# Altium PCB ZhuKong.PcbDoc (part 3 of 6)
Units mm, origin at the board's own origin, x right, y up, seen from the top; angles counter-clockwise.
Board outline 178.45 x 113.25 mm, 2 copper layers (Top Layer, Bottom Layer); 395 components, 351 nets, 1367 pads, 848 vias.
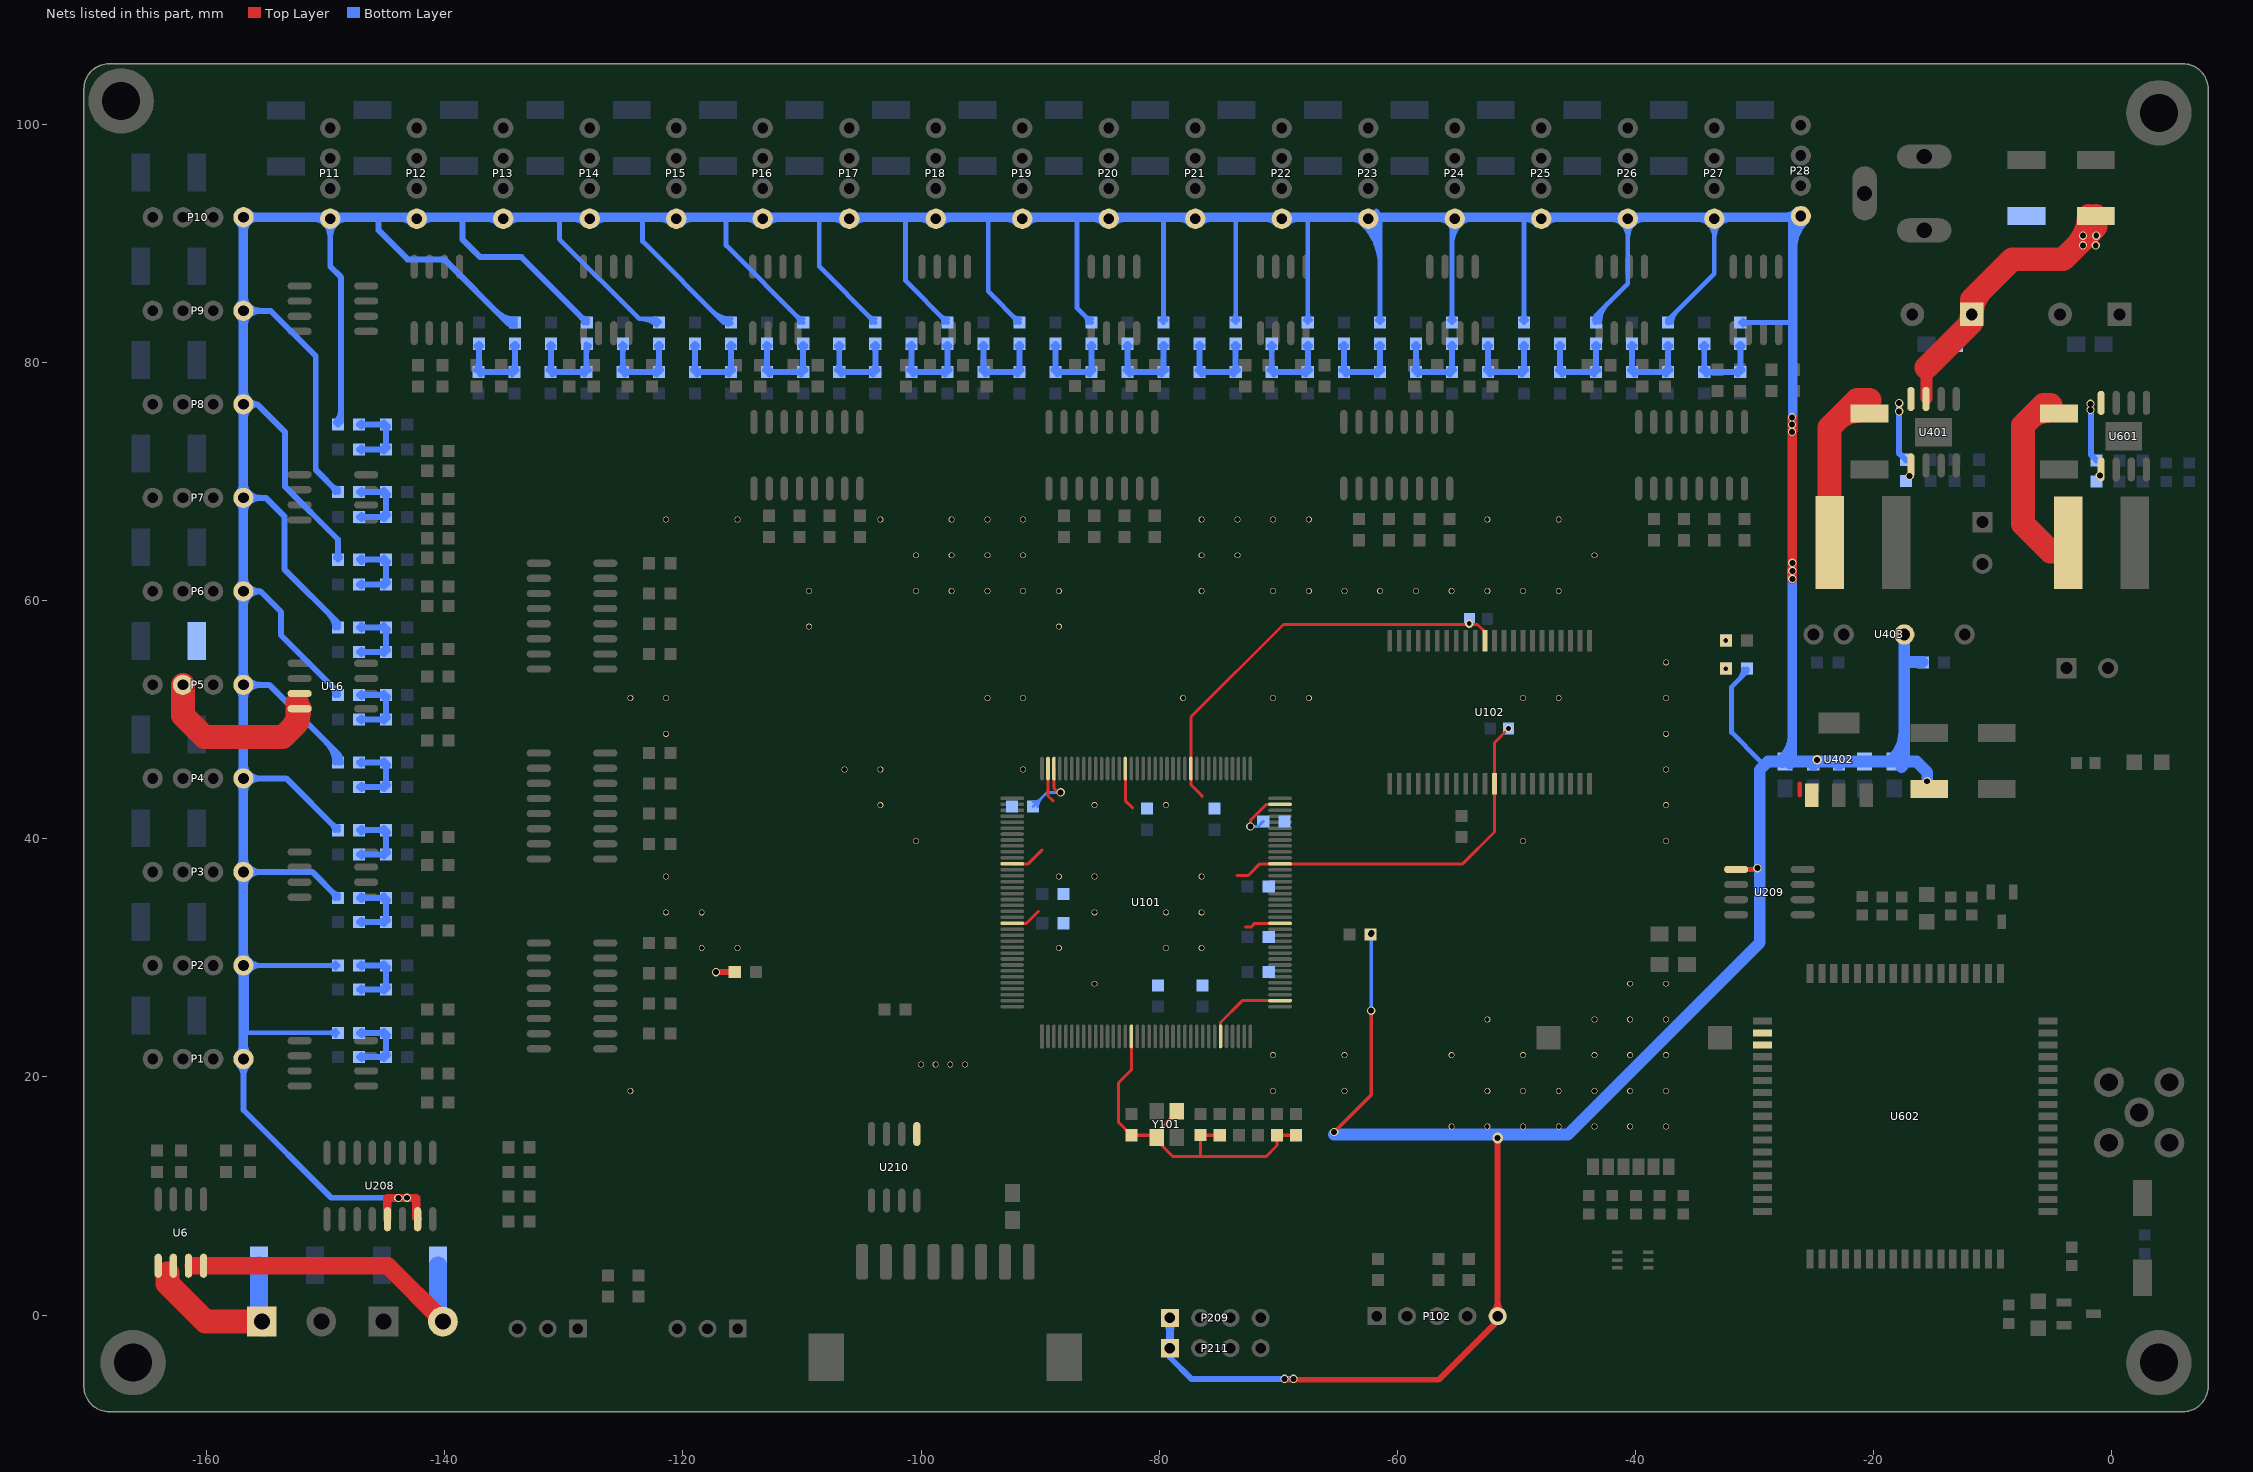
[diagram p3: the nets of this part, all layers, seen from the top]

## Via types
v1: diameter 0.5, hole 0.4, Top Layer to Bottom Layer, tented both sides, 554 vias
v2: diameter 0.7, hole 0.5, Top Layer to Bottom Layer, tented both sides, 134 vias
v3: diameter 0.6, hole 0.4, Top Layer to Bottom Layer, tented both sides, 77 vias
v4: diameter 0.7, hole 0.4, Top Layer to Bottom Layer, tented both sides, 40 vias
v5: diameter 0.8, hole 0.5, Top Layer to Bottom Layer, tented both sides, 32 vias
v6: diameter 0.5, hole 0.4, Top Layer to Bottom Layer, 5 vias
v7: diameter 0.9, hole 0.5, Top Layer to Bottom Layer, tented both sides, 4 vias
v8: diameter 0.5, hole 0.4, Top Layer to Bottom Layer, tented bottom, 1 vias
v9: diameter 0.8, hole 0.4, Top Layer to Bottom Layer, tented both sides, 1 vias

## Nets (pads, with @x,y where several pads share a name; then routed paths per layer and width w, separated by ;. In a path a pad name is that pad's centre, name@x,y a point inside that pad or via, vN(x,y) a via of type N, cw(c..) or ccw(c..) an arc to the next point about the centre after c; other vN are vias at no path point) (continued)
GND_MCU: C1.1 C3.2 C4.2 C5.2 C6.2 C7.2 C8.2 C9.2 C10.2 C11.2 C17.1 C18.1 C19.2 C20.2 C21.2 C22.2 C101.1 C102.1 C407.2 C408.2 C409.2 C410.2 C411.2 C413.1 C501.2 C502.2 C503.2 C504.2 C505.2 C506.2 C507.2 C508.2 C509.2 C510.2 C511.2 C512.2 C513.2 C514.2 C515.2 C516.2 C517.2 C518.2 C519.2 C520.2 C521.2 C522.2 C523.2 C524.2 C525.2 C526.2 C527.2 C528.2 P1.4 P2.4 P3.4 P4.4 P5.4 P6.4 P7.4 P8.4 P9.4 P10.4 P11.4 P12.4 P13.4 P14.4 P15.4 P16.4 P17.4 P18.4 P19.4 P20.4 P21.4 P22.4 P23.4 P24.4 P25.4 P26.4 P27.4 P28.4 P102.5 P209.1 P211.1 R2.2 R3.2 R18.1 T2.1 U101.16 U101.31 U101.38 U101.51 U101.61 U101.83 U101.94 U101.107 U101.120 U101.130 U102.12 U102.34 U208.13 U208.15 U209.5 U210.5 U402.1 U403.3 Y101.2 Y101.4 | length 1389.2
  Top Layer w0.25: U101.130@-92.334,32.911 -91.143,32.911 -90.145,33.909 ; U101.120@-92.334,37.911 -90.994,37.911 -89.852,39.052 ; U101.107@-89.334,45.911 -89.334,43.614 -88.9,43.18 ; U101.94@-82.834,45.911 -82.834,43.21 -82.22,42.596 ; U101.16@-82.334,23.411 -82.334,20.594 -83.414,19.515 -83.414,16.187 C101.1@-82.329,15.103 ; Y101.2@-80.207,14.917 -80.207,14.675 -78.842,13.31 -76.505,13.31 ; Y101.4@-78.507,16.677 Y101.4@-78.507,17.022 ; C102.1@-76.505,15.113 -76.505,13.31 ; -76.395,43.578 -76.395,43.627 -77.334,44.566 U101.83@-77.334,45.911 -77.309,45.936 -77.309,50.258 -69.554,58.014 -53.24,58.014 -52.63,57.404 U102.34@-52.63,56.644 ; U101.31@-74.834,23.411 -74.834,24.581 -73.005,26.411 U101.38@-69.834,26.411 ; -73.457,36.932 -72.517,36.932 -71.538,37.911 U101.61@-69.834,37.911 -54.494,37.911 -51.83,40.575 U102.12@-51.83,44.644 -51.83,48.085 v4(-50.64,49.276) ; -72.746,32.588 -72.288,32.588 -71.966,32.911 U101.51@-69.834,32.911 ; C19.2@-70.092,15.103 -70.092,14.236 -71.018,13.31 -76.505,13.31 ; -52.801,57.574 cw(c-53.03,57.344) U102.34@-52.705,57.344
  Top Layer w0.3: C101.1@-82.329,15.103 Y101.2@-80.393,15.103 ; Y101.2@-80.207,15.103 -80.207,15.322 Y101.4@-78.507,17.022 ; C102.1@-76.505,15.113 C1.1@-74.912,15.113 ; C19.2@-70.092,15.103 C20.2@-68.489,15.103 ; v2(-65.291,15.38) -62.179,18.491 v2(-62.179,25.569)
  Top Layer w0.4: U209.5@-31.521,37.44 -29.845,37.44 v2(-29.743,37.541) ; -26.187,43.663 -26.187,44.628
  Top Layer w0.5: v2(-117.221,28.804) R2.2@-115.646,28.804 ; v2@-69.469,-5.436 -56.515,-5.436 -51.555,-0.475 P102.5@-51.555,-0.094 v7(-51.555,14.866) ; P102.5@-51.917,0.268 ccw(c-52.791,1.142) -51.555,1.142 ccw(c-50.319,1.142) P102.5@-51.193,0.268
  Top Layer w0.7: U208.13@-144.831,8.052 -144.831,9.83 -142.418,9.83 -142.418,8.179 U208.15@-142.291,8.052
  Top Layer w0.8: v2@-26.822,61.798 v2@-26.822,75.387
  Bottom Layer w0.3: v2(-62.179,25.569) v2(-62.179,32.029)
  Bottom Layer w0.4: P2.4@-156.929,29.371 -156.921,29.371 -156.82,29.371 C502.2@-148.98,29.371 ; -156.82,23.724 C501.2@-149.014,23.724 ; P2.4@-156.469,28.911 cw(c-155.36,27.802) -155.36,29.371 cw(c-155.36,30.94) P2.4@-156.469,29.83 ; -149.808,23.724 cw(c-149.808,22.858) C501.2@-149.196,23.47 ; -149.726,29.371 cw(c-149.726,28.621) C502.2@-149.196,29.151 ; -149.718,29.371 ccw(c-149.718,30.109) C502.2@-149.196,29.587 ; -149.636,23.724 ccw(c-149.636,24.346) C501.2@-149.196,23.906 ; -130.378,92.024 -130.378,90.399 -123.673,83.693 -122.325,83.693 C513.2@-122.01,83.378 ; -123.514,83.693 cw(c-123.514,81.874) C513.2@-122.228,83.16 ; -123.393,92.329 -123.393,92.227 -123.393,90.195 -116.576,83.378 ; -122.548,83.693 cw(c-122.548,82.84) C513.2@-121.945,83.443 ; -117.541,84.343 ccw(c-115.954,85.931) C514.2@-115.954,83.686 ; -116.858,83.661 ccw(c-115.954,84.565) C514.2@-115.954,83.286 ; -116.383,92.075 -116.383,89.862 C515.2@-109.898,83.378 ; C514.2@-116.199,83.191 ccw(c-116.576,82.905) -116.576,83.378 ; C514.2@-116.199,83.565 cw(c-116.576,83.851) -116.576,83.378 ; C514.2@-115.954,83.378 -116.576,83.378 ; C515.2@-110.206,83.378 ccw(c-110.95,83.378) -110.424,83.904 ccw(c-109.898,84.43) C515.2@-109.898,83.686 ; -108.56,92.032 -108.56,88.095 C516.2@-103.843,83.378 ; C516.2@-104.151,83.378 ccw(c-104.894,83.378) -104.368,83.904 ccw(c-103.843,84.43) C516.2@-103.843,83.686 ; -101.295,92.304 -101.295,92.227 -101.295,86.886 C517.2@-97.787,83.378 ; C517.2@-98.095,83.378 ccw(c-98.838,83.378) -98.313,83.904 ccw(c-97.787,84.43) C517.2@-97.787,83.686 ; -94.361,92.177 -94.361,86.008 C518.2@-91.731,83.378 ; C518.2@-92.039,83.378 ccw(c-92.783,83.378) -92.257,83.904 ccw(c-91.731,84.43) C518.2@-91.731,83.686 ; -86.893,92.253 -86.893,92.227 -86.893,84.596 C519.2@-85.675,83.378 ; C519.2@-85.983,83.378 ccw(c-86.727,83.378) -86.201,83.904 ccw(c-85.675,84.43) C519.2@-85.675,83.686 ; C520.2@-79.837,83.596 ccw(c-80.363,84.122) -79.62,84.122 ccw(c-78.876,84.122) C520.2@-79.402,83.596 ; C520.2@-79.62,83.378 -79.62,92.227 -79.62,92.288 ; C521.2@-73.782,83.596 ccw(c-74.307,84.122) -73.564,84.122 ccw(c-72.82,84.122) C521.2@-73.346,83.596 ; C521.2@-73.564,83.378 -73.564,92.227 -73.564,92.273 ; P22.4@-69.69,92.1 -67.508,92.1 C522.2@-67.508,83.378 ; P22.4@-69.231,91.641 cw(c-68.121,90.531) -68.121,92.1 cw(c-68.121,93.67) P22.4@-69.231,92.56 ; C522.2@-67.726,83.596 ccw(c-68.252,84.122) -67.508,84.122 ccw(c-66.764,84.122) C522.2@-67.29,83.596 ; P23.4@-62.882,91.641 cw(c-66.335,88.188) -61.452,88.188 ; P23.4@-62.6,91.924 cw(c-65.369,89.154) -61.452,89.154 ; P23.4@-62.423,92.1 -61.452,92.1 ; P23.4@-62.317,92.206 cw(c-64.403,90.12) -61.452,90.12 ; P23.4@-62.034,92.489 cw(c-63.438,91.085) -61.452,91.085 ; P23.4@-61.822,91.853 cw(c-61.452,91.701) -61.452,92.1 ; P23.4@-61.822,92.348 ccw(c-61.452,92.5) -61.452,92.1 ; -61.751,92.772 cw(c-62.472,92.051) -61.452,92.051 ; C523.2@-61.67,83.596 ccw(c-62.196,84.122) -61.452,84.122 ccw(c-60.709,84.122) C523.2@-61.235,83.596 ; C523.2@-61.452,83.378 -61.452,92.1 ; P24.4@-55.615,91.641 cw(c-56.142,91.113) -55.397,91.113 ; C524.2@-55.614,83.596 ccw(c-56.14,84.122) -55.397,84.122 ccw(c-54.653,84.122) C524.2@-55.179,83.596 ; C524.2@-55.397,83.378 P24.4@-55.397,91.859 ; -55.397,89.949 cw(c-53.004,89.949) P24.4@-54.696,91.641 ; -55.397,90.915 cw(c-53.97,90.915) P24.4@-54.979,91.924 ; C525.2@-49.559,83.596 ccw(c-50.084,84.122) -49.341,84.122 ccw(c-48.597,84.122) C525.2@-49.123,83.596 ; C525.2@-49.341,83.378 -49.341,92.1 P25.4@-47.888,92.1 ; P25.4@-48.373,91.667 ccw(c-49.341,90.802) -49.341,92.1 ccw(c-49.341,93.399) P25.4@-48.373,92.534 ; C526.2@-43.47,83.624 ccw(c-43.748,83.994) -43.285,83.994 ; C526.2@-43.377,83.378 cw(c-42.111,83.378) -43.006,84.273 ; C526.2@-43.285,83.378 -43.285,83.994 ; C526.2@-43.1,83.624 cw(c-42.822,83.994) -43.285,83.994 ; C526.2@-42.977,83.378 cw(c-40.745,83.378) -42.323,84.956 ; P26.4@-41.08,91.641 cw(c-42.19,90.531) -40.621,90.531 cw(c-39.051,90.531) P26.4@-40.161,91.641 ; P26.4@-40.621,92.1 -40.621,86.659 -43.285,83.994 ; C527.2@-37.229,83.598 -33.353,87.475 P27.4@-33.353,92.1 ; C527.2@-36.921,83.378 cw(c-35.645,83.378) -36.548,84.28 ; P27.4@-33.813,91.641 cw(c-34.922,90.531) -33.353,90.531 cw(c-31.784,90.531) P27.4@-32.894,91.641 ; -31.294,53.389 ccw(c-32.21,54.305) R18.1@-30.915,54.305 ; C528.2@-31.174,83.378 -26.568,83.378 ; C528.2@-30.956,83.16 cw(c-30.43,82.634) -30.43,83.378 cw(c-30.43,84.122) C528.2@-30.956,83.596 ; R18.1@-30.607,54.305 -30.607,54.077 -31.902,52.781 -31.902,48.946 -29.54,46.584 ; v2(-29.743,37.541) v2@-29.54,37.338 ; P28.4@-26.314,92.1 P28.4@-26.187,92.227
  Bottom Layer w0.5: P2.4@-157.353,29.795 ccw(c-158.641,31.083) -156.82,31.083 ; P3.4@-157.353,36.804 cw(c-158.641,35.516) -156.82,35.516 ; P3.4@-157.353,37.652 ccw(c-158.641,38.94) -156.82,38.94 ; P4.4@-157.353,44.661 cw(c-158.641,43.373) -156.82,43.373 ; P4.4@-157.353,45.509 ccw(c-158.641,46.797) -156.82,46.797 ; P5.4@-157.353,52.518 cw(c-158.641,51.23) -156.82,51.23 ; P5.4@-157.353,53.366 ccw(c-158.641,54.654) -156.82,54.654 ; P6.4@-157.353,60.375 cw(c-158.641,59.087) -156.82,59.087 ; P6.4@-157.353,61.223 ccw(c-158.641,62.511) -156.82,62.511 ; P7.4@-157.353,68.232 cw(c-158.641,66.944) -156.82,66.944 ; P7.4@-157.353,69.08 ccw(c-158.641,70.368) -156.82,70.368 ; P8.4@-157.353,76.089 cw(c-158.641,74.801) -156.82,74.801 ; P8.4@-157.353,76.938 ccw(c-158.641,78.225) -156.82,78.225 ; P9.4@-157.353,83.946 cw(c-158.641,82.658) -156.82,82.658 ; P9.4@-157.353,84.795 ccw(c-158.641,86.083) -156.82,86.083 ; P1.4@-157.345,21.09 cw(c-158.37,20.065) -156.921,20.065 cw(c-155.473,20.065) P1.4@-156.497,21.09 ; P1.4@-157.345,21.938 ccw(c-158.615,23.208) -156.82,23.208 ; P10.4@-157.345,91.803 cw(c-158.615,90.534) -156.82,90.534 ; P3.4@-156.929,37.228 -156.921,37.228 P3.4@-156.82,37.228 ; P4.4@-156.929,45.085 -156.921,45.085 P4.4@-156.82,45.085 ; P5.4@-156.929,52.942 -156.921,52.942 P5.4@-156.82,52.942 ; P6.4@-156.929,60.799 -156.921,60.799 P6.4@-156.82,60.799 ; P7.4@-156.929,68.656 -156.921,68.656 P7.4@-156.82,68.656 ; P8.4@-156.929,76.513 -156.921,76.513 P8.4@-156.82,76.513 ; P9.4@-156.929,84.37 -156.921,84.37 P9.4@-156.82,84.37 ; P1.4@-156.921,21.514 -156.921,17.221 -149.555,9.855 v2@-143.459,9.855 ; P1.4@-156.82,21.615 -156.82,23.724 ; -156.82,22.717 ccw(c-155.718,22.717) P1.4@-156.497,21.938 ; P2.4@-156.82,29.371 P3.4@-156.82,37.228 ; -156.82,30.556 ccw(c-155.744,30.556) P2.4@-156.505,29.795 ; -156.82,36.043 cw(c-155.744,36.043) -156.505,36.804 cw(c-155.48,35.779) -155.48,37.228 cw(c-155.48,38.676) -156.505,37.652 cw(c-155.744,38.413) -156.82,38.413 ; -156.82,43.9 cw(c-155.744,43.9) -156.505,44.661 cw(c-155.48,43.636) -155.48,45.085 cw(c-155.48,46.534) -156.505,45.509 cw(c-155.744,46.27) -156.82,46.27 ; -156.82,51.757 cw(c-155.744,51.757) -156.505,52.518 cw(c-155.48,51.494) -155.48,52.942 cw(c-155.48,54.391) -156.505,53.366 cw(c-155.744,54.127) -156.82,54.127 ; -156.82,59.614 cw(c-155.744,59.614) P6.4@-156.505,60.375 ; -156.82,61.984 ccw(c-155.744,61.984) P6.4@-156.505,61.223 ; -156.82,67.471 cw(c-155.744,67.471) -156.505,68.232 cw(c-155.48,67.208) -155.48,68.656 cw(c-155.48,70.105) -156.505,69.08 cw(c-155.744,69.841) -156.82,69.841 ; -156.82,75.328 cw(c-155.744,75.328) P8.4@-156.505,76.089 ; -156.82,77.698 ccw(c-155.744,77.698) P8.4@-156.505,76.938 ; -156.82,83.185 cw(c-155.744,83.185) -156.505,83.946 cw(c-155.48,82.922) -155.48,84.37 cw(c-155.48,85.819) -156.505,84.795 cw(c-155.744,85.555) -156.82,85.555 ; -156.82,91.024 cw(c-155.718,91.024) -156.497,91.803 cw(c-155.227,90.534) -155.227,92.329 ; P6.4@-156.502,60.377 cw(c-155.49,59.375) -155.49,60.799 ; P6.4@-156.502,61.221 ccw(c-155.49,62.223) -155.49,60.799 ; P10.4@-156.497,92.652 ccw(c-155.718,93.431) -155.718,92.329 ; P8.4@-156.441,76.164 cw(c-155.761,75.677) -155.761,76.513 ; P8.4@-156.441,76.863 ccw(c-155.761,77.349) -155.761,76.513 ; -151.632,92.329 cw(c-151.632,90.1) -150.056,91.676 cw(c-151.08,90.652) -149.631,90.652 cw(c-148.183,90.652) -149.207,91.676 cw(c-147.631,90.1) -147.631,92.329 ; -150.528,92.329 ccw(c-150.528,92.997) P11.4@-150.056,92.525 ; -149.94,48.112 cw(c-151.64,46.413) C505.2@-149.237,46.413 ; -149.683,58.853 cw(c-150.761,57.775) C507.2@-149.237,57.775 ; P11.4@-149.631,92.1 -149.631,88.087 -148.717,87.173 -148.717,75.08 C510.2@-148.979,74.818 ; -149.587,52.94 cw(c-150.434,52.094) C506.2@-149.237,52.094 ; C503.2@-149.237,35.05 ccw(c-149.859,35.05) -149.419,35.491 ccw(c-148.979,35.931) C503.2@-148.979,35.308 ; C504.2@-149.237,40.731 ccw(c-149.859,40.731) -149.419,41.172 ccw(c-148.979,41.612) C504.2@-148.979,40.989 ; C509.2@-149.237,69.137 ccw(c-149.859,69.137) -149.419,69.577 ccw(c-148.979,70.018) C509.2@-148.979,69.395 ; P11.4@-149.207,92.525 ccw(c-148.735,92.997) -148.735,92.329 ; C505.2@-149.161,46.595 ccw(c-149.601,47.035) -148.979,47.035 ccw(c-148.356,47.035) C505.2@-148.796,46.595 ; C508.2@-149.161,63.638 ccw(c-149.601,64.079) -148.979,64.079 ccw(c-148.356,64.079) C508.2@-148.796,63.638 ; C510.2@-149.161,75.001 ccw(c-150.233,76.073) -148.717,76.073 ; -149.087,47.258 cw(c-149.933,46.413) C505.2@-148.737,46.413 ; C503.2@-148.979,35.05 -151.156,37.228 P3.4@-156.82,37.228 ; C504.2@-148.979,40.731 -153.332,45.085 P4.4@-156.82,45.085 ; C505.2@-148.979,46.413 -148.979,47.15 -154.771,52.942 P5.4@-156.82,52.942 ; C506.2@-148.979,52.094 -148.979,52.332 -153.772,57.125 -153.772,59.08 -155.49,60.799 ; C507.2@-148.979,57.775 -148.979,58.148 -153.492,62.662 -153.492,67.107 -155.042,68.656 P7.4@-156.82,68.656 ; C508.2@-148.979,63.456 -148.979,65.159 -153.416,69.596 -153.416,74.168 -155.761,76.513 ; C509.2@-148.979,69.137 -150.851,71.009 -150.851,80.569 -154.652,84.37 P9.4@-156.82,84.37 ; -144.364,92.329 cw(c-144.364,90.1) P12.4@-142.788,91.676 ; -143.261,92.329 ccw(c-143.261,92.997) P12.4@-142.788,92.525 ; P12.4@-141.94,91.676 cw(c-140.364,90.1) -140.364,92.329 ; P12.4@-141.94,92.525 ccw(c-141.467,92.997) -141.467,92.329 ; -137.097,92.329 cw(c-137.097,90.1) P13.4@-135.521,91.676 ; -135.993,92.329 ccw(c-135.993,92.997) P13.4@-135.521,92.525 ; -135.612,84.254 ccw(c-134.121,85.745) C511.2@-134.121,83.636 ; -134.759,83.4 ccw(c-134.121,84.038) C511.2@-134.121,83.136 ; P13.4@-134.672,91.676 cw(c-133.096,90.1) -133.096,92.329 ; P13.4@-134.672,92.525 ccw(c-134.2,92.997) -134.2,92.329 ; C511.2@-134.305,83.197 ccw(c-134.737,82.773) -134.737,83.378 ; C511.2@-134.305,83.559 cw(c-134.737,83.983) -134.737,83.378 ; C511.2@-134.121,83.378 -134.737,83.378 ; -129.83,92.329 cw(c-129.83,90.1) P14.4@-128.254,91.676 ; -128.726,92.329 ccw(c-128.726,92.997) P14.4@-128.254,92.525 ; C512.2@-128.324,83.378 ccw(c-128.946,83.378) -128.506,83.818 ccw(c-128.066,84.259) C512.2@-128.066,83.636 ; C512.2@-128.066,83.378 -133.562,88.875 -137.033,88.875 -138.506,90.348 -138.506,92.227 -138.506,92.329 ; P14.4@-127.405,91.676 cw(c-125.829,90.1) -125.829,92.329 ; P14.4@-127.405,92.525 ccw(c-126.933,92.997) -126.933,92.329 ; P211.1@-79.088,-2.784 -79.088,-3.564 -77.292,-5.359 v2(-68.707,-5.359) ; C527.2@-37.229,83.378 C527.2@-37.229,83.598 ; -27.658,92.279 ccw(c-27.657,93.902) P28.4@-26.51,92.753 ; -27.411,92.279 cw(c-27.412,91.005) P28.4@-26.51,91.905 ; P28.4@-26.772,92.278 -123.393,92.329 -138.506,92.329 ; P3.4@-156.82,37.228 P4.4@-156.82,45.085 ; P4.4@-156.82,45.085 P5.4@-156.82,52.942 ; P5.4@-156.82,52.942 P6.4@-156.82,60.799 ; P6.4@-156.82,60.799 -155.49,60.799 ; P6.4@-156.82,60.799 P7.4@-156.82,68.656 ; P7.4@-156.82,68.656 P8.4@-156.82,76.513 ; P8.4@-156.82,76.513 -155.761,76.513 ; P8.4@-156.82,76.513 P9.4@-156.82,84.37 ; P9.4@-156.82,84.37 -156.82,92.227 -156.82,92.329 -145.567,92.329 ; -145.567,92.329 -145.567,92.227 -145.567,91.135 -143.129,88.697 -140.056,88.697 -134.737,83.378 ; -145.567,92.329 -138.506,92.329 ; -122.559,92.329 cw(c-122.56,90.105) -120.986,91.676 ccw(c-122.56,90.105) -122.559,92.329 ; -121.462,92.328 ccw(c-121.462,93.001) -120.986,92.525 cw(c-121.462,93.001) -121.462,92.328 ; -115.282,92.325 cw(c-115.283,90.114) -113.719,91.676 ccw(c-115.283,90.114) -115.282,92.325 ; -114.204,92.324 ccw(c-114.203,93.01) -113.719,92.525 cw(c-114.203,93.01) -114.204,92.324 ; -108.005,92.321 cw(c-108.006,90.123) -106.452,91.676 ccw(c-108.006,90.123) -108.005,92.321 ; -106.946,92.32 ccw(c-106.945,93.02) -106.451,92.525 cw(c-106.945,93.02) -106.946,92.32 ; -100.729,92.317 cw(c-100.73,90.132) -99.184,91.676 ccw(c-100.73,90.132) -100.729,92.317 ; -99.687,92.317 ccw(c-99.687,93.029) -99.184,92.525 cw(c-99.687,93.029) -99.687,92.317 ; -93.452,92.313 cw(c-93.453,90.142) -91.917,91.676 ccw(c-93.453,90.142) -93.452,92.313 ; -92.429,92.313 ccw(c-92.429,93.038) -91.916,92.525 cw(c-92.429,93.038) -92.429,92.313 ; -86.176,92.309 cw(c-86.177,90.151) -84.649,91.676 ccw(c-86.177,90.151) -86.176,92.309 ; -85.171,92.309 ccw(c-85.171,93.047) -84.649,92.525 cw(c-85.171,93.047) -85.171,92.309 ; -78.899,92.306 cw(c-78.9,90.16) -77.382,91.676 ccw(c-78.9,90.16) -78.899,92.306 ; -77.913,92.305 ccw(c-77.913,93.056) -77.382,92.525 cw(c-77.913,93.056) -77.913,92.305 ; -71.622,92.302 cw(c-71.623,90.169) -70.115,91.676 ccw(c-71.623,90.169) -71.622,92.302 ; -70.655,92.301 ccw(c-70.654,93.066) -70.114,92.525 cw(c-70.654,93.066) -70.655,92.301 ; -64.346,92.298 cw(c-64.347,90.178) -62.847,91.676 ccw(c-64.347,90.178) -64.346,92.298 ; -63.397,92.297 ccw(c-63.396,93.075) -62.847,92.525 cw(c-63.396,93.075) -63.397,92.297 ; -57.069,92.294 cw(c-57.07,90.188) -55.58,91.676 ccw(c-57.07,90.188) -57.069,92.294 ; -56.139,92.294 ccw(c-56.138,93.084) -55.579,92.525 cw(c-56.138,93.084) -56.139,92.294 ; -49.792,92.29 cw(c-49.794,90.197) -48.312,91.676 ccw(c-49.794,90.197) -49.792,92.29 ; -48.88,92.29 ccw(c-48.88,93.093) -48.312,92.525 cw(c-48.88,93.093) -48.88,92.29 ; -42.516,92.286 cw(c-42.517,90.206) -41.045,91.676 ccw(c-42.517,90.206) -42.516,92.286 ; -41.622,92.286 ccw(c-41.622,93.103) -41.045,92.525 cw(c-41.622,93.103) -41.622,92.286 ; -35.239,92.283 cw(c-35.24,90.215) -33.778,91.676 ccw(c-35.24,90.215) -35.239,92.283 ; -34.364,92.282 ccw(c-34.364,93.112) -33.777,92.525 cw(c-34.364,93.112) -34.364,92.282
  Bottom Layer w0.7: P2.4@-157.282,29.017 cw(c-158.4,27.9) -156.82,27.9 ; -156.82,23.724 P2.4@-156.82,29.371 ; -156.82,28.427 cw(c-155.985,28.427) P2.4@-156.575,29.017 ; P209.1@-79.379,-0.535 cw(c-80.083,-1.238) -79.088,-1.238 cw(c-78.093,-1.238) P209.1@-78.797,-0.535 ; P211.1@-79.088,-2.784 P209.1@-79.088,-0.244 ; C410.2@-27.634,46.306 ccw(c-28.12,45.819) -28.12,46.507 ccw(c-28.12,47.195) C410.2@-27.634,46.709
  Bottom Layer w0.8: P2.4@-157.247,29.053 cw(c-158.034,28.266) -156.921,28.266 ; P2.4@-157.247,29.689 ccw(c-158.034,30.476) -156.921,30.476 ; P3.4@-157.247,36.91 cw(c-158.034,36.123) -156.921,36.123 ; P3.4@-157.247,37.546 ccw(c-158.034,38.333) -156.921,38.333 ; P4.4@-157.247,44.767 cw(c-158.034,43.98) -156.921,43.98 ; P4.4@-157.247,45.403 ccw(c-158.034,46.19) -156.921,46.19 ; P5.4@-157.247,52.624 cw(c-158.034,51.837) -156.921,51.837 ; P5.4@-157.247,53.26 ccw(c-158.034,54.047) -156.921,54.047 ; P6.4@-157.247,60.481 cw(c-158.034,59.694) -156.921,59.694 ; P6.4@-157.247,61.117 ccw(c-158.034,61.904) -156.921,61.904 ; P7.4@-157.247,68.338 cw(c-158.034,67.551) -156.921,67.551 ; P7.4@-157.247,68.974 ccw(c-158.034,69.761) -156.921,69.761 ; P8.4@-157.247,76.195 cw(c-158.034,75.409) -156.921,75.409 ; P8.4@-157.247,76.831 ccw(c-158.034,77.618) -156.921,77.618 ; P9.4@-157.247,84.052 cw(c-158.034,83.266) -156.921,83.266 ; P9.4@-157.247,84.689 ccw(c-158.034,85.475) -156.921,85.475 ; P1.4@-157.239,21.832 ccw(c-158.008,22.6) -156.921,22.6 ccw(c-155.835,22.6) P1.4@-156.603,21.832 ; P10.4@-157.239,91.909 cw(c-158.008,91.141) -156.921,91.141 cw(c-155.835,91.141) -156.603,91.909 cw(c-155.835,91.141) -155.835,92.227 cw(c-155.835,93.314) P10.4@-156.603,92.546 ; P1.4@-156.921,21.514 -156.921,29.371 -156.921,37.228 -156.921,45.085 -156.921,52.942 -156.921,60.799 -156.921,68.656 -156.921,76.513 -156.921,84.37 P10.4@-156.921,92.227 -156.82,92.227 -145.567,92.227 -138.506,92.227 -123.393,92.227 -101.295,92.227 -86.893,92.227 -79.62,92.227 -73.564,92.227 P28.4@-26.187,92.227 ; -156.921,28.303 cw(c-155.861,28.303) P2.4@-156.611,29.053 ; -156.921,30.439 ccw(c-155.861,30.439) P2.4@-156.611,29.689 ; -156.921,36.16 cw(c-155.861,36.16) P3.4@-156.611,36.91 ; -156.921,38.296 ccw(c-155.861,38.296) P3.4@-156.611,37.546 ; -156.921,44.017 cw(c-155.861,44.017) P4.4@-156.611,44.767 ; -156.921,46.153 ccw(c-155.861,46.153) P4.4@-156.611,45.403 ; -156.921,51.874 cw(c-155.861,51.874) P5.4@-156.611,52.624 ; -156.921,54.01 ccw(c-155.861,54.01) P5.4@-156.611,53.26 ; -156.921,59.731 cw(c-155.861,59.731) P6.4@-156.611,60.481 ; -156.921,61.867 ccw(c-155.861,61.867) P6.4@-156.611,61.117 ; -156.921,67.588 cw(c-155.861,67.588) P7.4@-156.611,68.338 ; -156.921,69.724 ccw(c-155.861,69.724) P7.4@-156.611,68.974 ; -156.921,75.445 cw(c-155.861,75.445) P8.4@-156.611,76.195 ; -156.921,77.581 ccw(c-155.861,77.581) P8.4@-156.611,76.831 ; -156.921,83.302 cw(c-155.861,83.302) P9.4@-156.611,84.052 ; -156.921,85.438 ccw(c-155.861,85.438) P9.4@-156.611,84.689 ; -151.024,92.227 cw(c-151.024,90.707) P11.4@-149.95,91.782 ; P11.4@-149.313,91.782 cw(c-148.238,90.707) -148.238,92.227 ; -143.757,92.227 cw(c-143.757,90.707) P12.4@-142.682,91.782 ; P12.4@-142.046,91.782 cw(c-140.971,90.707) -140.971,92.227 ; -136.49,92.227 cw(c-136.49,90.707) P13.4@-135.415,91.782 ; P13.4@-134.778,91.782 cw(c-133.704,90.707) -133.704,92.227 ; -129.222,92.227 cw(c-129.222,90.707) P14.4@-128.147,91.782 ; P14.4@-127.511,91.782 cw(c-126.436,90.707) -126.436,92.227 ; -121.955,92.227 cw(c-121.955,90.707) P15.4@-120.88,91.782 ; P15.4@-120.244,91.782 cw(c-119.169,90.707) -119.169,92.227 ; -114.687,92.227 cw(c-114.687,90.707) P16.4@-113.613,91.782 ; P16.4@-112.976,91.782 cw(c-111.901,90.707) -111.901,92.227 ; -107.42,92.227 cw(c-107.42,90.707) P17.4@-106.345,91.782 ; P17.4@-105.709,91.782 cw(c-104.634,90.707) -104.634,92.227 ; -100.153,92.227 cw(c-100.153,90.707) P18.4@-99.078,91.782 ; P18.4@-98.441,91.782 cw(c-97.367,90.707) -97.367,92.227 ; -92.885,92.227 cw(c-92.885,90.707) P19.4@-91.811,91.782 ; P19.4@-91.174,91.782 cw(c-90.099,90.707) -90.099,92.227 ; -85.618,92.227 cw(c-85.618,90.707) P20.4@-84.543,91.782 ; P20.4@-83.907,91.782 cw(c-82.832,90.707) -82.832,92.227 ; -78.351,92.227 cw(c-78.351,90.707) P21.4@-77.276,91.782 ; P21.4@-76.639,91.782 cw(c-75.565,90.707) -75.565,92.227 ; -71.083,92.227 cw(c-71.083,90.707) P22.4@-70.008,91.782 ; P22.4@-69.372,91.782 cw(c-68.297,90.707) -68.297,92.227 ; -63.816,92.227 cw(c-63.816,90.707) P23.4@-62.741,91.782 ; P23.4@-62.105,91.782 cw(c-61.03,90.707) -61.03,92.227 ; -56.548,92.227 cw(c-56.548,90.707) P24.4@-55.474,91.782 ; P24.4@-54.837,91.782 cw(c-53.762,90.707) -53.762,92.227 ; -49.281,92.227 cw(c-49.281,90.707) P25.4@-48.206,91.782 ; P25.4@-47.57,91.782 cw(c-46.495,90.707) -46.495,92.227 ; -42.014,92.227 cw(c-42.014,90.707) P26.4@-40.939,91.782 ; P26.4@-40.302,91.782 cw(c-39.228,90.707) -39.228,92.227 ; -34.746,92.227 cw(c-34.746,90.707) P27.4@-33.671,91.782 ; P27.4@-33.035,91.782 cw(c-31.96,90.707) -31.96,92.227 ; C410.2@-27.598,46.801 ccw(c-29.521,48.724) -26.802,48.724 ; -27.417,92.227 ccw(c-27.417,93.661) P28.4@-26.404,92.647 ; C410.2@-27.032,46.235 ccw(c-27.59,46.792) C410.2@-26.802,46.792 ; C410.2@-26.802,46.706 v2@-26.802,62.586 ; v2@-26.772,74.285 P28.4@-26.772,92.278 ; -26.772,89.587 cw(c-23.344,89.587) P28.4@-25.768,92.011 ; -26.772,91.518 cw(c-25.275,91.518) P28.4@-26.333,92.576